# Altium PCB OLD_DIOT_temperature_logger.PcbDoc (part 2 of 6)
Units mm, origin at the board's own origin, x right, y up, seen from the top; angles counter-clockwise.
Board outline 222.54 x 100 mm, 4 copper layers (TOP, MID1, MID2, BOT), stack 1.55 mm thick; 631 components, 598 nets, 2471 pads, 1426 vias.
Unrouted connection lines stored in the file: 306.
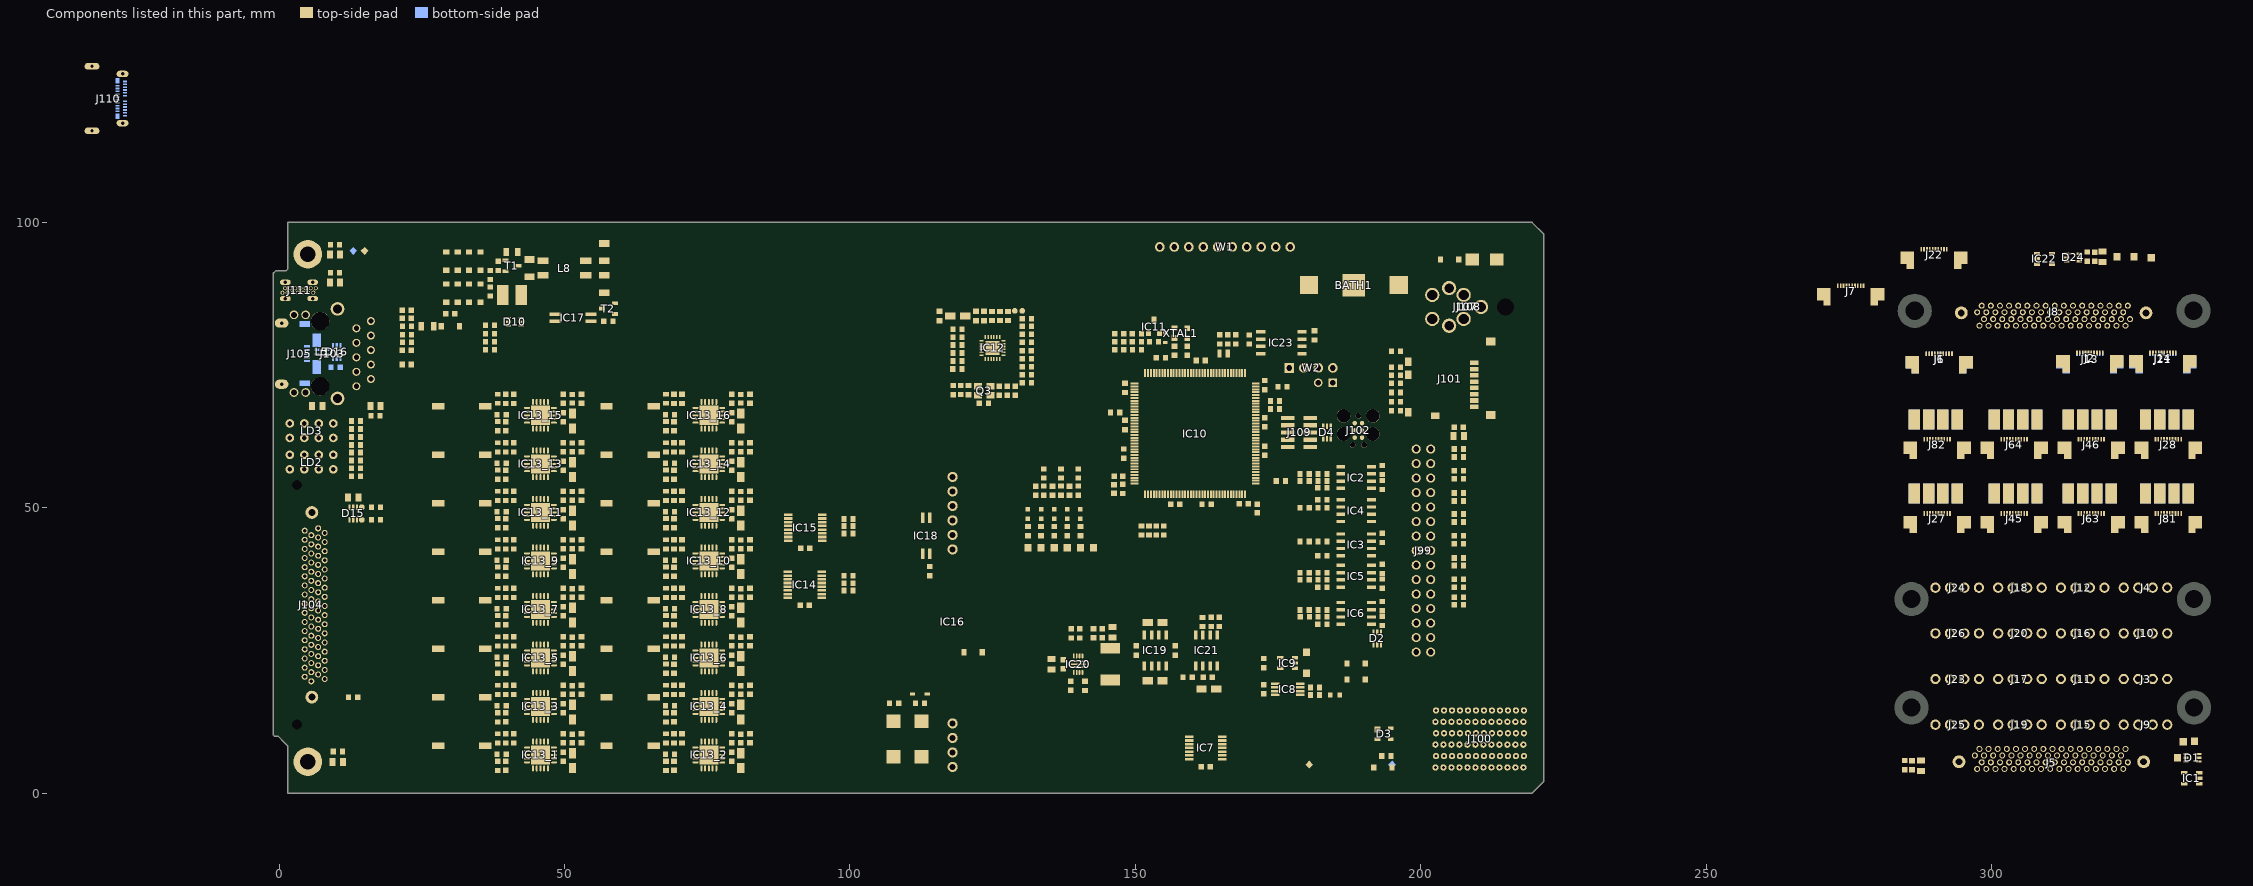
[diagram p4: the components of this part, seen from the top]

## Components (designator, comment, footprint, x,y, rotation, side; value= is the part's Value field where it differs from the comment) (continued)
R107_6 "0" RESC1608X55N 68.5,23.8 r0 top (schematic designator R107)
R107_7 "0" RESC1608X55N 39,32.3 r0 top (schematic designator R107)
R107_8 "0" RESC1608X55N 68.5,32.3 r0 top (schematic designator R107)
R107_9 "0" RESC1608X55N 39,40.8 r0 top (schematic designator R107)
R107_10 "0" RESC1608X55N 68.5,40.8 r0 top (schematic designator R107)
R107_11 "0" RESC1608X55N 39,49.3 r0 top (schematic designator R107)
R107_12 "0" RESC1608X55N 68.5,49.3 r0 top (schematic designator R107)
R107_13 "0" RESC1608X55N 39,57.8 r0 top (schematic designator R107)
R107_14 "0" RESC1608X55N 68.5,57.8 r0 top (schematic designator R107)
R107_15 "0" RESC1608X55N 39,66.3 r0 top (schematic designator R107)
R107_16 "0" RESC1608X55N 68.5,66.3 r0 top (schematic designator R107)
R108_1 "10M" RESC1608X55N 38.3,4.8 r90 top (schematic designator R108)
R108_2 "10M" RESC1608X55N 67.8,4.8 r90 top (schematic designator R108)
R108_3 "10M" RESC1608X55N 38.3,13.3 r90 top (schematic designator R108)
R108_4 "10M" RESC1608X55N 67.8,13.3 r90 top (schematic designator R108)
R108_5 "10M" RESC1608X55N 38.3,21.8 r90 top (schematic designator R108)
R108_6 "10M" RESC1608X55N 67.8,21.8 r90 top (schematic designator R108)
R108_7 "10M" RESC1608X55N 38.3,30.3 r90 top (schematic designator R108)
R108_8 "10M" RESC1608X55N 67.8,30.3 r90 top (schematic designator R108)
R108_9 "10M" RESC1608X55N 38.3,38.8 r90 top (schematic designator R108)
R108_10 "10M" RESC1608X55N 67.8,38.8 r90 top (schematic designator R108)
R108_11 "10M" RESC1608X55N 38.3,47.3 r90 top (schematic designator R108)
R108_12 "10M" RESC1608X55N 67.8,47.3 r90 top (schematic designator R108)
R108_13 "10M" RESC1608X55N 38.3,55.8 r90 top (schematic designator R108)
R108_14 "10M" RESC1608X55N 67.8,55.8 r90 top (schematic designator R108)
R108_15 "10M" RESC1608X55N 38.3,64.3 r90 top (schematic designator R108)
R108_16 "10M" RESC1608X55N 67.8,64.3 r90 top (schematic designator R108)
R109 "0" RESC1608X55N 9.8,96.1 r180 top
R110 "0" RESC1608X55N 10.3,7.3 r180 top
R111 "0" RESC1608X55N 13,16.8 r0 top
R112 "0" RESC1608X55N 99.75,38.1 r180 top
R113 "0" RESC1608X55N 99.75,48.049 r180 top
R114 "0" RESC1608X55N 99.75,36.8 r180 top
R115 "0" RESC1608X55N 99.75,46.8 r180 top
R116 "0" RESC1608X55N 99.75,35.5 r180 top
R117 "0" RESC1608X55N 99.75,45.5 r180 top
R118 "24k" RESC1608X55N 22.4,81.8 r0 top
R119 "10k" RESC1608X55N 22.4,79 r180 top
R120 "82k" RESC1608X55N 37,87.9 r270 top
R121 "220" RESC1608X55N 57.7,82.7 r0 top
R122 "33" RESC1608X55N 107.775,15.775 r180 top
R123 "10k" RESC1608X55N 112.275,15.775 r180 top
R124 "10k" RESC1608X55N 114,38.9 r270 top
R125 "20k" RESC1608X55N 37,90.8 r270 top
R126 "82k" RESC1608X55N 38.4,92.4 r90 top
R127 "10" RESC2012X60N 40.8,94.8 r0 top
R128 "47k" RESC1608X55N 141.2,18.8 r270 top
R129 "47k" RESC1608X55N 140.3,28 r90 top
R130 "12k1" RESC1608X55N 138.8,28 r90 top
R131 "33" RESC1608X55N 159.2,20.3 r0 top
R132 "82k" RESC1608X55N 161.8,30 r90 top
R133 "12k1" RESC1608X55N 140.4,45.9 r90 top
R134 "1k3" RESC1608X55N 135.8,45.9 r90 top
R135 "1k3" RESC1608X55N 131.2,45.9 r90 top
R136 "1k3" RESC1608X55N 133.5,45.9 r90 top
R137 "1k3" RESC1608X55N 138.1,45.9 r90 top
R138 "10k" RESC1608X55N 170,79.5 r270 top
R139 "0" RESC1608X55N 9.8,91.2 r0 top
ST1 "SCHROFF_PANEL_3U_4HP-Thermostat" "SCHROFF_PANEL_3HP_4U - Thermostat" 5.056,5.512 r0 top locked
SW1_1 "Switch" SW_OMRON_A6SN-1101 32,8.3 r0 top (schematic designator SW1)
SW1_2 "Switch" SW_OMRON_A6SN-1101 61.5,8.3 r0 top (schematic designator SW1)
SW1_3 "Switch" SW_OMRON_A6SN-1101 32,16.8 r0 top (schematic designator SW1)
SW1_4 "Switch" SW_OMRON_A6SN-1101 61.5,16.8 r0 top (schematic designator SW1)
SW1_5 "Switch" SW_OMRON_A6SN-1101 32,25.3 r0 top (schematic designator SW1)
SW1_6 "Switch" SW_OMRON_A6SN-1101 61.5,25.3 r0 top (schematic designator SW1)
SW1_7 "Switch" SW_OMRON_A6SN-1101 32,33.8 r0 top (schematic designator SW1)
SW1_8 "Switch" SW_OMRON_A6SN-1101 61.5,33.8 r0 top (schematic designator SW1)
SW1_9 "Switch" SW_OMRON_A6SN-1101 32,42.3 r0 top (schematic designator SW1)
SW1_10 "Switch" SW_OMRON_A6SN-1101 61.5,42.3 r0 top (schematic designator SW1)
SW1_11 "Switch" SW_OMRON_A6SN-1101 32,50.8 r0 top (schematic designator SW1)
SW1_12 "Switch" SW_OMRON_A6SN-1101 61.5,50.8 r0 top (schematic designator SW1)
SW1_13 "Switch" SW_OMRON_A6SN-1101 32,59.3 r0 top (schematic designator SW1)
SW1_14 "Switch" SW_OMRON_A6SN-1101 61.5,59.3 r0 top (schematic designator SW1)
SW1_15 "Switch" SW_OMRON_A6SN-1101 32,67.8 r0 top (schematic designator SW1)
SW1_16 "Switch" SW_OMRON_A6SN-1101 61.5,67.8 r0 top (schematic designator SW1)
T1 "FDN86246" SOT95P237X112-3N 40.8,92.4 r0 top
T2 "BSS138LT1G" SOT95P240X110-3N 57.7,84.9 r180 top
TP1 "Test Point" TPS127 333.6,9 r90 top
TP2 "Test Point" TPS127 332.6,6.2 r90 top
TP3 "Test Point" TPS127 335.6,9.099 r90 top
TP4 "Test Point" TPS127 180,24.7 r90 top
TP5 "Test Point" TPS127 180,21 r90 top
TP6 "Test Point" TPS127 140.4,43 r90 top
TP7 "Test Point" TPS127 135.8,43 r270 top
TP8 "Test Point" TPS127 131.2,43 r0 top
TP9 "Test Point" TPS127 133.5,43 r0 top
TP10 "Test Point" TPS127 138.1,43 r0 top
TP11 "Test Point" TPS127 142.7,43 r180 top
TP12 "Test Point" TPS127 322,94 r0 top
TP13 "Test Point" TPS127 325,94 r0 top
TP14 "Test Point" TPS127 328,93.8 r0 top
W1 "Header 10" SAMTEC_MTLW-110-07-L-S-250 154.3,95.7 r0 top
W2 "Header 4" SAMTEC_HTSW-104-23-L-S 177,74.5 r0 top
XTAL1 "16MHz" "XTAL 2.5mm x3.2mm" 158,80.6 r180 top

## Footprints (in the part's own frame and the unit in brackets; to place one, negate y for a bottom-side part, rotate by r counter-clockwise, add the part's x,y. Pads: shape width x height; smd on the part's side, far side on the other; paste and mask are expansions set on the pad)
3M_N2530-6002RB [mm] "30 Contacts - Straight .100\" x .100\" Low Profile Four-Wall Header"
  round 1.6 hole 1: 1(-17.78,-1.27) 2(-17.78,1.27) 3(-15.24,-1.27) 4(-15.24,1.27) 5(-12.7,-1.27) 6(-12.7,1.27) 7(-10.16,-1.27) 8(-10.16,1.27) 9(-7.62,-1.27) 10(-7.62,1.27) 11(-5.08,-1.27) 12(-5.08,1.27) 13(-2.54,-1.27) 14(-2.54,1.27) 15(0,-1.27) 16(0,1.27) 17(2.54,-1.27) 18(2.54,1.27) 19(5.08,-1.27) 20(5.08,1.27) 21(7.62,-1.27) 22(7.62,1.27) 23(10.16,-1.27) 24(10.16,1.27) 25(12.7,-1.27) 26(12.7,1.27) 27(15.24,-1.27) 28(15.24,1.27) 29(17.78,-1.27) 30(17.78,1.27)
  silkscreen extent -22.71,-4.85 22.71,4.52, body extent -22.71,-4.11 22.71,4.52, height 9.91
ABRACON_ARJM11C7-114-BA-EW2 [mm] "LAN Transformer, body 21.84x15.88mm"
  round 1.4 hole 0.9: 1(5.715,6.35) 2(4.445,8.89) 3(3.175,6.35) 4(1.905,8.89) 5(0.635,6.35) 6(-0.635,8.89) 7(-1.905,6.35) 8(-3.175,8.89) 9(-4.445,6.35) 10(-5.715,8.89)
  round 1.52 hole 1.02: L1(-6.8,-2.55) L2(-6.8,-4.58) L3(6.8,-2.55) L4(6.8,-4.58)
  round 3.25 hole 3.25 unplated: MH1(-5.715,0)
  round 3.2 hole 3.25 unplated: MH2(5.715,0)
  round 2.4 hole 1.6: S1(-7.845,3.05) S2(7.845,3.05)
  silkscreen extent -8.04,-10.87 8.04,10.63, body extent -10.33,-10.87 10.33,10.63, height 16.15
AMPHENOL_10052825-101LF [mm] "72 Contacts, 2mm Pitch, 6 Columns, 4 Pairs per Column, 4 Walls, Right Angle Header"
  round 1.1 hole 0.5: **(1,3.45) A1(-5,-7.65) A2(-3,-7.75) A3(-1,-7.65) A4(1,-7.75) A5(3,-7.65) A6(5,-7.75) B1(-5,-6.25) B2(-3,-6.35) B3(-1,-6.25) B4(1,-6.35) B5(3,-6.25) B6(5,-6.35) C1(-5,-4.85) C2(-3,-4.95) C3(-1,-4.85) C4(1,-4.95) C5(3,-4.85) C6(5,-4.95) D1(-5,-3.45) D2(-3,-3.55) D3(-1,-3.45) D4(1,-3.55) D5(3,-3.45) D6(5,-3.55) E1(-5,-2.05) E2(-3,-2.15) E3(-1,-2.05) E4(1,-2.15) E5(3,-2.05) E6(5,-2.15) F1(-5,-0.65) F2(-3,-0.75) F3(-1,-0.65) F4(1,-0.75) F5(3,-0.65) F6(5,-0.75) G1(-5,0.75) G2(-3,0.65) G3(-1,0.75) G4(1,0.65) G5(3,0.75) G6(5,0.65) H1(-5,2.15) H2(-3,2.05) H3(-1,2.15) H4(1,2.05) H5(3,2.15) H6(5,2.05) I1(-5,3.55) I2(-3,3.45) I3(-1,3.55) I5(3,3.55) I6(5,3.45) J1(-5,4.95) J2(-3,4.85) J3(-1,4.95) J4(1,4.85) J5(3,4.95) J6(5,4.85) K1(-5,6.35) K2(-3,6.25) K3(-1,6.35) K4(1,6.25) K5(3,6.35) K6(5,6.25) L1(-5,7.75) L2(-3,7.65) L3(-1,7.75) L4(1,7.65) L5(3,7.75) L6(5,7.65)
  silkscreen extent -6.95,-21.95 6.95,11.85, body extent -6.95,-21.95 6.95,11.85, height 15.25
BAT_VARTA_CR1220 [mm] "CR1210, 12.5mm Diameter x 2mm  Height Lithium Coin Cells"
  silkscreen extent -6.25,-6.25 6.25,6.25, body extent -6.25,-6.25 6.25,6.25, height 2
BATH_KEYSTONE_3000 [mm] "SMD Battery Holder for BR1216, CR1216, BR1220, CL1220, CR1220, BR1225 Coin Cells"
  rect 3.175x3.175 smd: 1(-7.873,0) 1(7.873,0)
  rect 4x4 smd paste-2: 2(0,0)
  silkscreen extent -6.6,-6.35 6.6,6.35, body extent -9.46,-6.35 9.46,6.35, height 3.17
C100 [mm] "1mm Diameter SMD Pad"
  round 1 smd paste-1: 1(0,0)
CAPC1608X80N [mm] "Chip Capacitor, Body 1.6x0.8mm IPC Medium Density"
  rect 1x1 smd: 1(-0.75,0) 2(0.75,0)
  body extent -0.87,-0.47 0.88,0.48, height 0.8
CAPC1608X87N [mm] "Chip Capacitor, Body 1.6x0.8mm IPC Medium Density"
  rect 0.95x1 smd: 1(-0.8,0) 2(0.8,0)
  body extent -0.87,-0.47 0.88,0.48, height 0.87
CAPC1608X90N [mm] "Chip Capacitor, Body 1.6x0.8mm IPC Medium Density"
  rect 0.95x0.95 smd: 1(-0.75,0) 2(0.75,0)
  body extent -0.85,-0.45 0.85,0.45, height 0.9
CAPC2012X135N [mm] "Chip Capacitor, Body 2.0x1.25mm, IPC Medium Density"
  rect 1.05x1.4 smd: 1(-0.9,0) 2(0.9,0)
  silkscreen extent 0,-0.58 0,0.58, body extent -1.05,-0.67 1.05,0.68, height 1.25
CAPC3216X140N [mm] "Chip Capacitor, Body 3.2x1.6mm, IPC Medium Density"
  rect 1.15x1.8 smd: 1(-1.5,0) 2(1.5,0)
  silkscreen extent -0.5,-0.9 0.5,0.9, body extent -1.7,-0.9 1.7,0.9, height 1.4
CAPMP3216X180N [mm] "Capacitor, Polarized, Molded  Body 3.2x1.6mm, IPC Medium Density"
  rect 1.8x1.25 smd: 1(-1.3,0) 2(1.3,0)
  silkscreen extent -2.4,-0.7 0,1.25, body extent -1.7,-0.9 1.7,0.9, height 1.6
CAPMP7343X430N [mm] "Capacitor, Polarized, Molded  Body 7.3x4.3mm, IPC Medium Density"
  rect 2.35x2.45 smd: 1(-3.1,0) 2(3.1,0)
  silkscreen extent -4.42,-2.3 3.8,2.3, body extent -3.8,-2.3 3.8,2.3, height 4.3
DIOM5336X265N [mm] "DO-214-AA/SMB Diode, Molded Body; 5.34mm L X 3.625mm W X 2.65mm H, IPC Medium Density"
  rect 2.3x2.15 smd: 1(-2.15,0) 2(2.15,0)
  silkscreen extent -3.92,-1.8 2.65,1.8, body extent -2.7,-1.95 2.7,1.95, height 2.4
FIDUCIAL_TOP_S100-200 [mm] "Square Fiducial Target, Top Layer, 1.0mm, Top Solder 2.0mm, Keepout =2.0mm"
  rect 1x1 smd rot 45 paste-0.51 mask+0.5: 1(0,0)
  TOP keep-out region: 1.414,0 0,-1.414 -1.414,0 0,1.414
FP-LQFP144-1A-MFG [mm]
  rect 1.35x0.35 smd paste+0 mask+0: 1(-10.625,8.75) 2(-10.625,8.25) 3(-10.625,7.75) 4(-10.625,7.25) 5(-10.625,6.75) 6(-10.625,6.25) 7(-10.625,5.75) 8(-10.625,5.25) 9(-10.625,4.75) 10(-10.625,4.25) 11(-10.625,3.75) 12(-10.625,3.25) 13(-10.625,2.75) 14(-10.625,2.25) 15(-10.625,1.75) 16(-10.625,1.25) 17(-10.625,0.75) 18(-10.625,0.25) 19(-10.625,-0.25) 20(-10.625,-0.75) 21(-10.625,-1.25) 22(-10.625,-1.75) 23(-10.625,-2.25) 24(-10.625,-2.75) 25(-10.625,-3.25) 26(-10.625,-3.75) 27(-10.625,-4.25) 28(-10.625,-4.75) 29(-10.625,-5.25) 30(-10.625,-5.75) 31(-10.625,-6.25) 32(-10.625,-6.75) 33(-10.625,-7.25) 34(-10.625,-7.75) 35(-10.625,-8.25) 36(-10.625,-8.75) 73(10.625,-8.75) 74(10.625,-8.25) 75(10.625,-7.75) 76(10.625,-7.25) 77(10.625,-6.75) 78(10.625,-6.25) 79(10.625,-5.75) 80(10.625,-5.25) 81(10.625,-4.75) 82(10.625,-4.25) 83(10.625,-3.75) 84(10.625,-3.25) 85(10.625,-2.75) 86(10.625,-2.25) 87(10.625,-1.75) 88(10.625,-1.25) 89(10.625,-0.75) 90(10.625,-0.25) 91(10.625,0.25) 92(10.625,0.75) 93(10.625,1.25) 94(10.625,1.75) 95(10.625,2.25) 96(10.625,2.75) 97(10.625,3.25) 98(10.625,3.75) 99(10.625,4.25) 100(10.625,4.75) 101(10.625,5.25) 102(10.625,5.75) 103(10.625,6.25) 104(10.625,6.75) 105(10.625,7.25) 106(10.625,7.75) 107(10.625,8.25) 108(10.625,8.75)
  rect 0.35x1.35 smd paste+0 mask+0: 37(-8.75,-10.625) 38(-8.25,-10.625) 39(-7.75,-10.625) 40(-7.25,-10.625) 41(-6.75,-10.625) 42(-6.25,-10.625) 43(-5.75,-10.625) 44(-5.25,-10.625) 45(-4.75,-10.625) 46(-4.25,-10.625) 47(-3.75,-10.625) 48(-3.25,-10.625) 49(-2.75,-10.625) 50(-2.25,-10.625) 51(-1.75,-10.625) 52(-1.25,-10.625) 53(-0.75,-10.625) 54(-0.25,-10.625) 55(0.25,-10.625) 56(0.75,-10.625) 57(1.25,-10.625) 58(1.75,-10.625) 59(2.25,-10.625) 60(2.75,-10.625) 61(3.25,-10.625) 62(3.75,-10.625) 63(4.25,-10.625) 64(4.75,-10.625) 65(5.25,-10.625) 66(5.75,-10.625) 67(6.25,-10.625) 68(6.75,-10.625) 69(7.25,-10.625) 70(7.75,-10.625) 71(8.25,-10.625) 72(8.75,-10.625) 109(8.75,10.625) 110(8.25,10.625) 111(7.75,10.625) 112(7.25,10.625) 113(6.75,10.625) 114(6.25,10.625) 115(5.75,10.625) 116(5.25,10.625) 117(4.75,10.625) 118(4.25,10.625) 119(3.75,10.625) 120(3.25,10.625) 121(2.75,10.625) 122(2.25,10.625) 123(1.75,10.625) 124(1.25,10.625) 125(0.75,10.625) 126(0.25,10.625) 127(-0.25,10.625) 128(-0.75,10.625) 129(-1.25,10.625) 130(-1.75,10.625) 131(-2.25,10.625) 132(-2.75,10.625) 133(-3.25,10.625) 134(-3.75,10.625) 135(-4.25,10.625) 136(-4.75,10.625) 137(-5.25,10.625) 138(-5.75,10.625) 139(-6.25,10.625) 140(-6.75,10.625) 141(-7.25,10.625) 142(-7.75,10.625) 143(-8.25,10.625) 144(-8.75,10.625)
  silkscreen extent -12,-10.1 10.1,10.1, body extent -11.4,-11.4 11.4,11.4, height 0.25
FUSR_BOURNS_MF-PSMF050 [mm] "PTC Resettable Fuse, MF-PSMS Series, Height 0.48mm"
  rect 1x1.5 smd: 1(-1.1,0) 2(1.1,0)
  silkscreen extent -0.25,-0.67 0.25,0.67, body extent -1.07,-0.67 1.08,0.68, height 0.48
HARWIN_M50-3600542 [mm] "10 Contacts - Pitch 1.27mm - Dual Row SMT Vertical Pin Header"
  rect 0.74x2.4 smd: 1(-2.54,-1.95) 2(-2.54,1.95) 3(-1.27,-1.95) 4(-1.27,1.95) 5(0,-1.95) 6(0,1.95) 7(1.27,-1.95) 8(1.27,1.95) 9(2.54,-1.95) 10(2.54,1.95)
  silkscreen extent -3.17,-3.9 3.18,0.4, body extent -3.17,-2.81 3.17,2.69, height 4.69
IND_MURATA-PS_8400 [mm] "Miniature Surface Mount Power Inductors, 4.5mm L X 3.3mm W X 2.9mm H, MURATA 8400 Series"
  rect 2x3.5 smd: 1(-1.6,0) 2(1.6,0)
  silkscreen extent -0.3,-1.8 0.3,1.8, body extent -2.4,-1.8 2.4,1.8, height 2.9
IND_MURATA_DLW21S [mm] "Common Mode Choke Coil, DLW21S Series - Body 2 x 1.2mm"
  rect 0.9x0.4 smd: 1(-0.85,-0.4) 2(0.85,-0.4) 3(0.85,0.4) 4(-0.85,0.4)
  silkscreen extent -1.92,-0.6 0,0.6, body extent -1,-0.6 1,0.6, height 1.4
IND_TDK_SPM6530 [mm] "SMD Inductor, 7.1mm L X 6.5mm W X 3mm H, TDK SPM6530 Series"
  rect 1.85x3.4 smd: 1(-2.775,0) 2(2.775,0)
  silkscreen extent -3.5,-3.2 3.5,3.2, body extent -3.6,-3.2 3.6,3.2, height 3.1
IND_WURTH_WE-SL2 [mm] "Common Mode SMD Line Filter WE-SL2"
  rect 2x1.2 smd: 1(-3.75,1.27) 2(-3.75,-1.27) 3(3.75,-1.27) 4(3.75,1.27)
  silkscreen extent -4.75,-3.15 4.75,3.15, body extent -4.75,-3.15 4.75,3.15, height 5.3
INDC1608X95N [mm] "Chip Inductor, 2-Leads, EIA 0603, Metric 1608, Body 1.6x0.8mm, IPC Medium Density"
  rect 0.95x1 smd: 1(-0.8,0) 2(0.8,0)
  body extent -0.87,-0.47 0.88,0.48, height 0.95
"JTAG - Needle 6-pin" [mil]
  round 31 smd paste-30: 1(50,-25) 2(50,25) 3(100,-25) 4(100,25) 5(150,-25) 6(150,25)
  round 93.5 hole 93.5 unplated: MH(0,100) MH(0,-102.36) MH(125,100) MH(125,-102.36)
  round 39 hole 39 unplated: PH(0,0) PH(200,-40) PH(200,40)
  KeepOutLayer region: 155.5,120.53 155.5,176.53 94.5,176.53 94.5,120.53
  KeepOutLayer region: 30.5,120.53 30.5,176.53 -30.5,176.53 -30.5,120.53
  KeepOutLayer region: 94.5,-122.83 94.5,-178.83 155.5,-178.83 155.5,-122.83
  KeepOutLayer region: -30.5,-122.83 -30.5,-178.83 30.5,-178.83 30.5,-122.83
jump [mm]
  rect 1.5x1.5 hole 0.965: 1(0,0)
  round 1.5 hole 0.965: 2(0,-2.54)
  silkscreen extent -1.2,-3.81 1.2,1.27, body extent -1.26,-3.84 1.19,1.24, height 8
KYCON_KUSBX-SL-CS1N14-B [mm] "USB 2.0 Type C Receptacle, High Temp., Flag Style Through Hole 14 Pin, Black"
  round 0.7 hole 0.4: A1(-0.39,-2.25) A4(-0.39,-1.35) A5(-0.39,-0.45) A6(-0.39,0.45) A7(-0.39,1.35) A9(-0.39,2.25) A12(-0.39,3.15) B1(0.39,2.7) B4(0.39,1.8) B5(0.39,0.9) B6(0.39,0) B7(0.39,-0.9) B9(0.39,-1.8) B12(0.39,-2.7)
  oval 0.9x1.9 hole 0.6 slot 1.6 at 90 deg: SHIELD(-1.43,2.6) SHIELD(-1.43,-2.2) SHIELD(1.43,2.6) SHIELD(1.43,-2.2)
  silkscreen extent -1.9,-10.3 1.9,4.25, body extent -1.9,-10.3 1.9,4.25, height 9.04
LED_BIVAR_H485CHHGGDL [mm] "Quad-Level 2mm (Green+Green+HeRed+HeRed) LED, PCB Edge Mounting BIVAR H485C Serie"
  round 1.5 hole 0.8: 1(-3.81,-1.27) 2(-3.81,1.27) 3(-1.27,-1.27) 4(-1.27,1.27) 5(1.27,-1.27) 6(1.27,1.27) 7(3.81,-1.27) 8(3.81,1.27)
  silkscreen extent -9.99,-2.55 4.71,2.55, body extent -9.99,-2.55 4.71,2.55, height 11.3
LED_KINGBRIGHT_KPH-1608CGCK [mm] "SMT Green LED, Case 0603, Body L 1.6 x W 0.8mm H 0.65mm"
  rect 0.8x0.8 smd: 1(-0.825,0) 2(0.825,0)
  silkscreen extent -1.82,-0.4 0.08,0.4, body extent -0.8,-0.4 0.8,0.4, height 0.65
LED_KINGBRIGHT_KPH-1608SURCK [mm] "SMT Hyper Red LED, Case 0603, Body L 1.6 x W 0.8mm H 0.65mm"
  rect 0.8x0.8 smd: 1(-0.825,0) 2(0.825,0)
  silkscreen extent -1.82,-0.4 0.08,0.4, body extent -0.8,-0.4 0.8,0.4, height 0.65
MOLEX_39-30-0040 [mm] "4.20mm (.165\") Pitch Mini-Fit Jr. Header, Dual Row, Right Angle with Snap-in Plastic Peg PCB Lock, 4 Circuits"
  round 2.5 hole 1.8: 1(-2.1,2.75) 2(2.1,2.75) 3(-2.1,-2.75) 4(2.1,-2.75)
  round 1 hole 3 unplated mask+1: 5(0,10.05)
  silkscreen extent -5.2,-1.24 4.8,16.65, body extent -5.2,-3.28 4.8,16.65, height 11.4
MOLEX_52745-1097#1 [mm] "10 Contacts, 0.5mm Pitch, Right Angled Surface Mount FPC Connector, ZIF, Top Contact Style"
  rect 0.3x0.8 smd: 1(-2.25,0) 2(-1.75,0) 3(-1.25,0) 4(-0.75,0) 5(-0.24,0) 6(0.25,0) 7(0.75,0) 8(1.25,0) 9(1.75,0) 10(2.25,0)
  rect 1.1x2.2 smd: MECH(-5.35,-1.5) MECH(5.35,-1.5)
  rect 1.3x3.05 smd: MECH(-4.15,-1.925) MECH(4.15,-1.925)
  TOP keep-out lines w0.1: -3.4,-2.34 -3.4,-1 -2.7,-1 -2.7,-2.34 -3.4,-2.34 ; 2.7,-2.34 3.4,-2.34 3.4,-1 2.7,-1 2.7,-2.34
  silkscreen extent -5.55,-6.3 5.55,0.66, body extent -5.55,-6.3 5.55,0.1, height 2
MOLEX_52745-1097#2 [mm] "10 Contacts, 0.5mm Pitch, Right Angled Surface Mount FPC Connector, ZIF, Top Contact Style"
  rect 0.3x0.8 smd: 1(-2.25,0) 2(-1.75,0) 3(-1.25,0) 4(-0.75,0) 5(-0.24,0) 6(0.25,0) 7(0.75,0) 8(1.25,0) 9(1.75,0) 10(2.25,0)
  rect 1.1x2.2 smd: MECH(-5.35,-1.5) MECH(5.35,-1.5)
  rect 1.3x3.05 smd: MECH(-4.15,-1.925) MECH(4.15,-1.925)
  TOP keep-out region: -3.4,-1 -2.7,-1 -2.7,-2.34 -3.4,-2.34
  TOP keep-out region: 2.7,-1 3.4,-1 3.4,-2.34 2.7,-2.34
  silkscreen extent -5.55,-6.3 5.55,0.52, body extent -5.55,-6.3 5.55,0.1, height 2
MOLEX_71430-0013 [mm]
  round 1.05 hole 0.65: 1(-13.005,-1.75) 2(-12.205,-0.6) 3(-11.405,-1.75) 4(-10.605,-0.6) 5(-9.805,-1.75) 6(-9.005,-0.6) 7(-8.205,-1.75) 8(-7.405,-0.6) 9(-6.605,-1.75) 10(-5.805,-0.6) 11(-5.005,-1.75) 12(-4.205,-0.6) 13(-3.405,-1.75) 14(-2.605,-0.6) 15(-1.805,-1.75) 16(-1.005,-0.6) 17(-0.205,-1.75) 18(0.595,-0.6) 19(1.395,-1.75) 20(2.195,-0.6) 21(2.995,-1.75) 22(3.795,-0.6) 23(4.595,-1.75) 24(5.395,-0.6) 25(6.195,-1.75) 26(6.995,-0.6) 27(7.795,-1.75) 28(8.595,-0.6) 29(9.395,-1.75) 30(10.195,-0.6) 31(10.995,-1.75) 32(11.795,-0.6) 33(12.595,-1.75) 34(13.395,-0.6) 35(-13.405,0.6) 36(-12.605,1.75) 37(-11.805,0.6) 38(-11.005,1.75) 39(-10.205,0.6) 40(-9.405,1.75) 41(-8.605,0.6) 42(-7.805,1.75) 43(-7.005,0.6) 44(-6.205,1.75) 45(-5.405,0.6) 46(-4.605,1.75) 47(-3.805,0.6) 48(-3.005,1.75) 49(-2.205,0.6) 50(-1.405,1.75) 51(-0.605,0.6) 52(0.195,1.75) 53(0.995,0.6) 54(1.795,1.75) 55(2.595,0.6) 56(3.395,1.75) 57(4.195,0.6) 58(4.995,1.75) 59(5.795,0.6) 60(6.595,1.75) 61(7.395,0.6) 62(8.195,1.75) 63(8.995,0.6) 64(9.795,1.75) 65(10.595,0.6) 66(11.395,1.75) 67(12.195,0.6) 68(12.995,1.75)
  round 2.25 hole 1.2: 69(-16.175,0.5) 70(16.175,0.5)
  round 1 hole 1.75 unplated mask+0.375: 71(-20.95,3.13) 72(20.95,3.13)
  silkscreen extent -21.35,-2.4 21.35,12.25, body extent -21.35,-2.4 21.35,12.25, height 6.28
MOLEX_502570-0893 [mm] "1.10mm Pitch, Surface Mount, Normal Mount MicroSD Memory Card Connector"
  rect 0.8x1.5 smd: 1(-3.85,0) 2(-2.75,0) 3(-1.65,0) 4(-0.55,0) 5(0.55,0) 6(1.65,0) 7(2.75,0) 8(3.85,0)
  rect 1.4x1.7 smd: 9(-7.6,2.9) 10(5.3,2.9)
  rect 1.5x1.15 smd: 11(-4.05,-11.575) 12(-1.75,-11.575) 13(4.85,-11.575)
  rect 1.15x1.5 smd: 14(5.425,-6.85)
  TOP keep-out lines w0.1: 0.2,-11.687 -0.8,-11.687 -0.8,-11.2 0.2,-11.2 0.2,-11.687 ; 5.75,-10.8 2.85,-10.8 2.85,-9.4 5.75,-9.4 5.75,-10.8 ; 5.55,-5.9 5.05,-5.9 5.05,-4.9 5.55,-4.9 5.55,-5.9
  silkscreen extent -8.05,-11.9 5.75,3.6, body extent -8.05,-11.9 5.75,3.6, height 1.8
MOLEX_1054550101 [mm] "0.5mm Pitch, USB 3.1 Type C Shielded I/O Receptacle, Right Angle, Mid-Mount, Surface mount"
  rect 0.3x0.7 smd: A1(-3,5.77) A2(-2.5,5.77) A3(-2,5.77) A4(-1.5,5.77) A5(-1,5.77) A6(-0.5,5.77) A7(0.5,5.77) A8(1,5.77) A9(1.5,5.77) A10(2,5.77) A11(2.5,5.77) A12(3,5.77) B2(2.25,4.47) B3(1.75,4.47) B4(1.25,4.47) B5(0.75,4.47) B6(0.25,4.47) B7(-0.25,4.47) B8(-0.75,4.47) B9(-1.25,4.47) B10(-1.75,4.47) B11(-2.25,4.47)